# KiCad board haasoscope_pro_adc_fpga_board.kicad_pcb (continued)
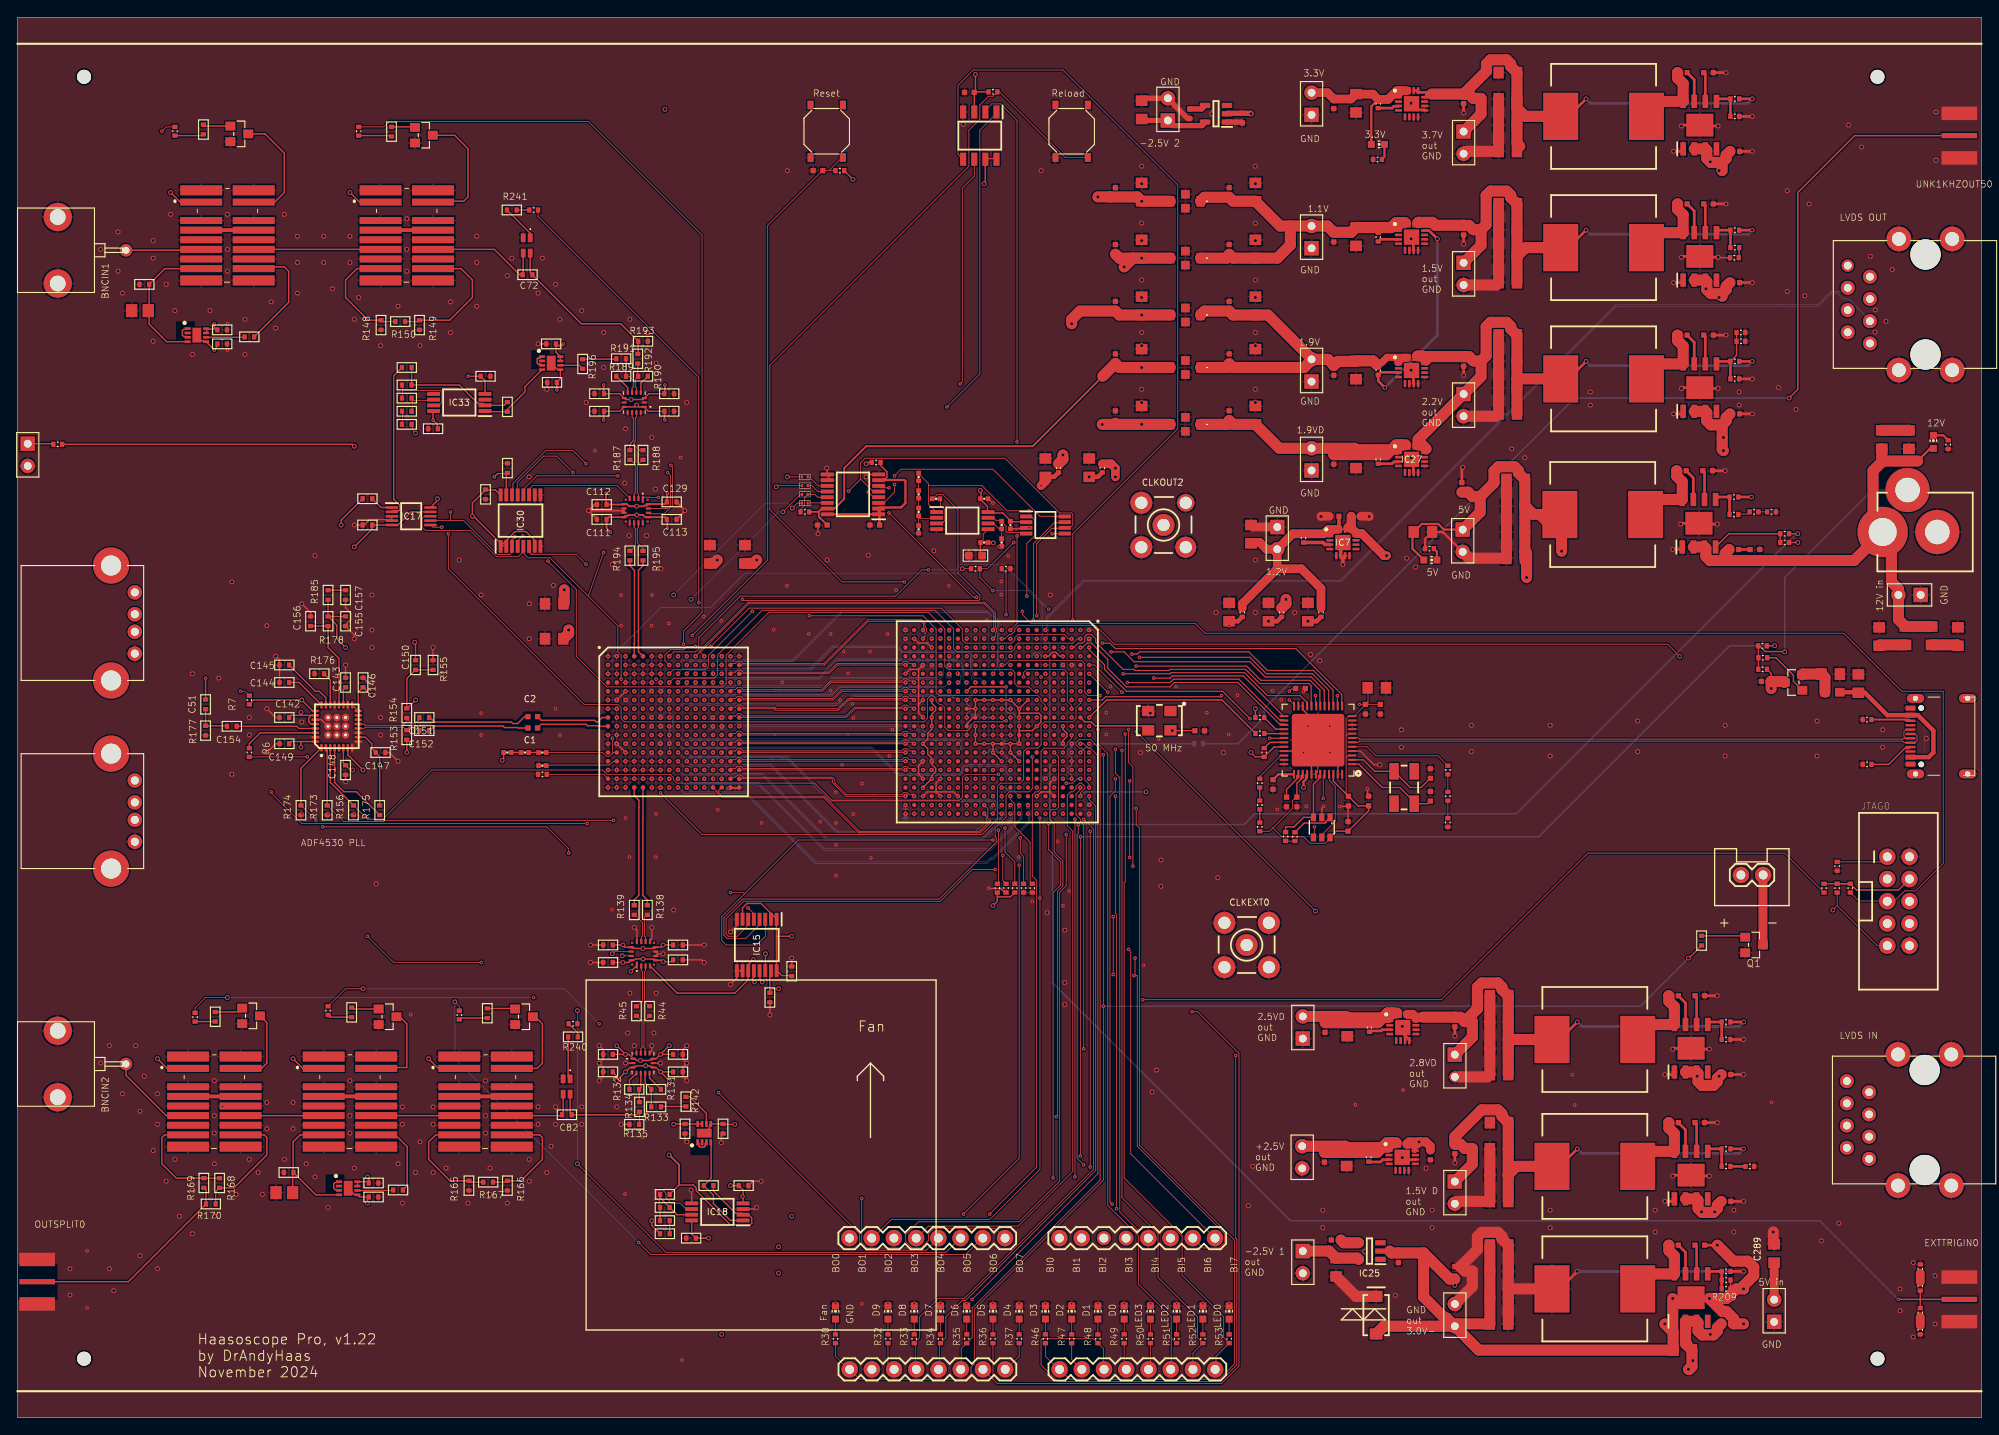
[diagram p0: board, top side]
## Placement (name value [footprint] x y rotation side) (continued)
R30  1k  [RES-0402]  93.5 9 90 top
R31  47  [RES-0402]  217.5 12 90 top
R32  1k  [RES-0402]  99.5 9 90 top
R33  1k  [RES-0402]  102.5 9 90 top
R34  1k  [RES-0402]  105.5 9 90 top
R35  1k  [RES-0402]  108.5 9 90 top
R36  1k  [RES-0402]  111.5 9 90 top
R37  1k  [RES-0402]  114.5 9 90 top
R38  10k  [RES-0402]  163.5 74 90 top
R39  100  [0201]  105.5 85.5 90 bottom
R40  1k  [RES-0402]  163.5 71 90 top
R41  1k  [RES-0402]  163.5 68 90 top
R42  1M  [R0402]  14.5 129.5 0 top
R43  47  [R0402]  26.5 123.5 0 top
R44  39  [R0402]  72.25 46.45 90 top
R45  39  [R0402]  70.75 46.45 90 top
R46  1k  [RES-0402]  117.5 9 90 top
R47  1k  [RES-0402]  120.5 9 90 top
R48  1k  [RES-0402]  123.5 9 90 top
R49  1k  [RES-0402]  126.5 9 90 top
R50  1k  [RES-0402]  129.5 9 90 top
R51  1k  [RES-0402]  132.5 9 90 top
R52  1k  [RES-0402]  135.5 9 90 top
R53  1k  [RES-0402]  138.5 9 90 top
R54  100  [0201]  106.5 83.5 270 bottom
R55  100  [0201]  111.5 89.5 90 bottom
R56  100  [0201]  111.5 87.5 90 bottom
R57  100  [0201]  110.5 89.5 90 bottom
R58  100  [0201]  109.5 89.5 90 bottom
R59  100  [0201]  108.5 89.5 90 bottom
R60  100  [0201]  106.5 89.5 90 bottom
R61  100  [0201]  107.5 82.5 270 bottom
R62  100  [0201]  107.5 80.5 270 bottom
R63  100  [0201]  115.45 69.35 270 bottom
R64  100  [0201]  114.45 69.35 270 bottom
R65  100  [0201]  113.4 69.4 270 bottom
R66  100  [0201]  112.3 69.4 270 bottom
R67  100  [0201]  111.3 69.4 270 bottom
R68  100  [0201]  113.5 73.5 90 bottom
R69  100  [0201]  111.5 71.5 270 bottom
R70  100  [0201]  110.5 71.5 270 bottom
R71  100  [0201]  110.5 73.5 90 bottom
R72  100  [0201]  108.5 72.5 90 bottom
R73  100  [0201]  106.5 71.5 270 bottom
R74  100  [0201]  104 74 180 bottom
R75  100  [0201]  107.35 76.55 270 bottom
R76  100  [0201]  107.5 78.5 270 bottom
R77  100  [0201]  105.5 89.5 90 bottom
R78  10k  [RES-0402]  94 142.5 0 top
R79  10k  [RES-0402]  111.5 151.5 180 top
R80  10k  [RES-0402]  112 60.5 270 top
R81  0  [RES-0402]  113 97 0 top
R82  10k  [RES-0402]  206.5 60.5 90 top
R83  10k  [RES-0402]  113 60.5 270 top
R84  10k  [RES-0402]  114 60.5 270 top
R85  10k  [RES-0402]  115 60.5 270 top
R86  10k  [RES-0402]  116 60.5 270 top
R87  0  [RES-0402]  144.5 92 270 top
R88  0  [RES-0402]  149 92 270 top
R89  0  [RES-0402]  140 92 270 top
R90  0  [RES-0402]  119 108.5 270 top
R91  10k  [RES-0402]  209.5 60.5 90 top
R92  10k  [RES-0402]  208 60.5 90 top
R93  1k  [RES-0402]  208 63 90 top
R94  100  [0201]  104.5 89.5 90 bottom
R95  100  [0201]  110.8 83.05 180 bottom
R96  100  [0201]  104 81 180 bottom
R97  100  [0201]  106 77 0 bottom
R98  100  [0201]  106 76 180 bottom
R99  100  [0201]  106.5 74.5 270 bottom
R100  100  [0201]  103.5 89.5 90 bottom
R101  100  [0201]  102 86 180 bottom
R102  100  [0201]  103.95 83.95 180 bottom
R103  100  [0201]  102 84 180 bottom
R104  100  [0201]  102 83 180 bottom
R105  100  [0201]  102 82 180 bottom
R106  100  [0201]  102 81 180 bottom
R107  100  [0201]  110.5 69.5 270 bottom
R108  100  [0201]  109.5 69.5 270 bottom
R109  100  [0201]  108.5 69.5 270 bottom
R110  100  [0201]  106.5 69.5 270 bottom
R111  100  [0201]  105.5 69.5 270 bottom
R112  100  [0201]  103.5 69.5 270 bottom
R113  100  [0201]  104.5 69.5 270 bottom
R114  100  [0201]  102 71.2 180 bottom
R115  100  [0201]  102 74 180 bottom
R116  100  [0201]  102 75 180 bottom
R117  100  [0201]  102 76 180 bottom
R118  100  [0201]  102 77 180 bottom
R119  100  [0201]  102 78 180 bottom
R120  100  [0201]  104 78 180 bottom
R121  10k  [RES-0402]  142 80 180 top
R122  1k  [0402_RES]  103 107.5 270 top
R123  10k  [RES-0402]  142.5 76 270 top
R124  1k  [0402_RES]  103 101.5 90 top
R125  10k  [0402_RES]  112.5 100 90 top
R126  1k  [0402_RES]  112.5 102 90 top
R127  10k  [0402_RES]  56 76 0 top
R128  0  [0402_RES]  60 74.5 180 top
R129  0  [0402_RES]  105 105 0 top
R130  10k  [0402_RES]  110.5 100 180 top
R131  127  [R0402]  73 37.5 0 top
R132  127  [R0402]  70.5 37.5 180 top
R133  66.5  [R0402]  73 35.5 180 top
R134  22.6  [R0402]  71.1 35.5 90 top
R135  357  [R0402]  70.5 33.5 0 top
R136  47  [RES-0402]  217.5 10 90 top
R137  100k  [RES-0402]  198.02 28.69 180 top
R138  39  [R0402]  72 58 90 top
R139  39  [R0402]  70.5 58 90 top
R140  1k  [R0402]  21.25 147.2 270 top
R141  1k  [R0402]  42.75 146.95 270 top
R142  0  [R0402]  76.4 36.1 270 top
R143  1k  [R0402]  40 105 0 top
R144  1k  [R0402]  74 22.5 180 top
R145  1k  [R0402]  74 24 0 top
R146  1k  [R0402]  79 26.5 0 top
R147  1k  [R0402]  74 25.5 180 top
R148  75  [R0402]  41.55 124.85 270 top
R149  75  [R0402]  45.95 124.85 270 top
R150  120  [R0402]  43.75 125.25 0 top
R151  10k  [RES-0402]  198.5 103.5 180 top
R152  5.1k  [RES-0402]  200.5 103.5 180 top
R153  47  [R0402]  44.5 78 270 top
R154  47  [R0402]  44.5 80.5 90 top
R155  0  [R0402]  45.5 86 270 top
R156  10k  [R0402]  38.4 69.4 90 top
R157  1k  [RES-0402]  144.95 66.4 90 top
R158  1M  [R0402]  31 28 0 top
R159  47  [R0402]  43.5 26 0 top
R160  47  [RES-0402]  217.5 15 270 top
R161  10k  [RES-0402]  147 100.5 270 top
R162  1k  [R0402]  38.2 46.3 270 top
R163  100k  [RES-0402]  196.25 132.55 0 top
R164  1k  [R0402]  53.7 46.2 270 top
R165  75  [R0402]  51.6 26.5 270 top
R166  75  [R0402]  56 26.5 270 top
R167  120  [R0402]  53.8 26.9 0 top
R168  47  [R0402]  23.1 26.8 270 top
R169  47  [R0402]  21.3 26.8 270 top
R170  47  [R0402]  22.1 24.4 180 top
R171  1k  [R0402]  22.6 45.8 270 top
R172  1k  [R0402]  74 21 180 top
R173  10k  [R0402]  35.4 69.4 90 top
R174  10k  [R0402]  32.4 69.4 90 top
R175  10k  [R0402]  41.4 69.4 90 top
R176  5.1k  [R0402]  34.5 85 0 top
R177  47  [R0402]  21.5 78.5 90 top
R178  1k  [R0402]  35.5 91 90 top
R179  1k  [RES-0402]  146.02 66.38 270 top
R180  1k  [R0402]  44.5 115 0 top
R181  1k  [R0402]  44.5 113.5 0 top
R182  5.1k  [RES-0402]  211.42 79.76 0 top
R183  5.1k  [RES-0402]  211.42 74.64 0 top
R184  39  [RES-0402]  142.01 78.18 180 top
R185  357  [R0402]  35.5 94 90 top
R186  10k  [0402_RES]  58 76 0 top
R187  39  [R0402]  70 110 270 top
R188  39  [R0402]  71.5 110 270 top
R189  127  [R0402]  69 119 180 top
R190  127  [R0402]  71.5 119 0 top
R191  66.5  [R0402]  69 121 0 top
R192  22.6  [R0402]  70.9 121 270 top
R193  357  [R0402]  71.5 123 180 top
R194  39  [R0402]  70 98.5 270 top
R195  39  [R0402]  71.5 98.5 270 top
R196  0  [R0402]  64.6 120.4 90 top
R197  1k  [R0402]  44.5 120 180 top
R198  10k  [0402_RES]  60 76 0 top
R199  1k  [R0402]  44.5 116.5 180 top
R200  1k  [R0402]  56 115.5 90 top
R201  1k  [R0402]  44.5 118 180 top
R202  1k  [0402_RES]  103 105.5 270 top
R203  1k  [0402_RES]  103 103.5 270 top
R204  1M  [RES-0402]  197 123 180 top
R205  1M  [RES-0402]  197 124 180 top
R206  1k  [RES-0402]  4.6 111.22 0 top
R207  NCP18WF104F03RC  [R0603_474]  109.5 98.5 90 top
R208  1k  [R0402]  192.5 54.5 270 top
R209  100k  [RES-0402]  195.31 15.71 180 top
R210  47  [RES-0402]  217.5 17 270 top
R211  47  [RES-0402]  135 77 180 bottom
R212  10k  [RES-0402]  202 100 180 top
R213  10k  [RES-0402]  155.54 150.14 270 top
R214  10k  [RES-0402]  155.54 119.66 270 top
R215  10k  [RES-0402]  155.54 134.9 270 top
R216  10k  [RES-0402]  154.47 29.74 270 top
R217  5.1k  [RES-0402]  220.69 111.19 90 top
R218  5.1k  [RES-0402]  155.46 143.78 0 top
R219  10k  [RES-0402]  155.54 109.5 270 top
R220  10k  [RES-0402]  154.54 44.57 270 top
R221  100k  [RES-0402]  196.3 150.7 0 top
R222  39k  [RES-0402]  196.3 148.7 180 top
R223  100k  [RES-0402]  196.3 135.7 0 top
R224  100k  [RES-0402]  196.3 133.7 180 top
R225  100k  [RES-0402]  196.3 120.7 0 top
R226  100k  [RES-0402]  196.3 118.7 180 top
R227  100k  [RES-0402]  195.3 45.2 0 top
R228  56k  [RES-0402]  195.3 43.2 180 top
R229  100k  [RES-0402]  195.3 30.7 0 top
R230  100k  [RES-0402]  195.3 28.7 180 top
R231  100k  [RES-0402]  195.3 16.7 0 top
R232  100k  [RES-0402]  195.3 14.7 180 top
R233  100k  [RES-0402]  196.2 105.2 0 top
R234  10k  [RES-0402]  196.2 103.2 180 top
R235  5.1k  [RES-0402]  161.4 99.3 0 top
R236  1k  [RES-0402]  202 101 0 top
R237  10k  [RES-0402]  199.48 85.51 0 top
R238  1k  [RES-0402]  199.46 88.19 0 top
R239  10k  [RES-0402]  199.5 86.83 0 top
R240  120  [R0402]  63.5 43.5 0 top
R241  120  [R0402]  56.5 138 0 top
SW3  SKQGADE010  [SW4-SMD-5.2X5.2X1.5MM_476]  120.5 147 270 top
SW4  SKQGADE010  [SW4-SMD-5.2X5.2X1.5MM_476]  92.5 147 270 top
U2  ADF4350BCPZ  [QFN50P500X500X100-33V2N]  36.5 79 90 top
U$1  RJ45-CONNECTOR-SHIELDED  [RJ45_THT_RA_AMPH-FRJAE448#2]  218 34 90 top
U$3  RJ45-CONNECTOR-SHIELDED  [RJ45_THT_RA_AMPH-FRJAE448]  218.1 127.2 90 top
UNK1KHZOUT50  50  [SMA_EDGELAUNCH]  224 146.5 180 top
X1  USBC  [USB_C_CUSB31-CFM2AX-01-X]  219.93 77.87 90 top
Y2  OSCILLATORSMD-5X3  [OSCILLATOR-SMD-5X3.2_511]  130.52 79.64 180 top
Y3  12MHz  [CRYSTAL-SMD-5X3]  158.5 72 270 top

## Footprints (pads in the part's own frame, mm; a bottom-side part is the same pattern mirrored in y, then rotated)
1X02
  round 1.88 hole 1.016: 1(0,0) 2(2.54,0)
1X08_513
  round 1.88 hole 1.016: 1(0,0) 2(2.54,0) 3(5.08,0) 4(7.62,0) 5(10.16,0) 6(12.7,0) 7(15.24,0) 8(17.78,0)
1X08_513#2
  round 1.88 hole 1.016: 1(0,0) 2(2.54,0) 5(10.16,0) 6(12.7,0) 7(15.24,0) 8(17.78,0)
  round 1.6 hole 1.016: 3(5.08,0)
  round 1.7 hole 1.016: 4(7.62,0)
2X5-SHROUDED_513
  round 1.88 hole 1.016: 1(-1.27,5.08) 2(1.27,5.08) 3(-1.27,2.54) 4(1.27,2.54) 5(-1.27,0) 6(1.27,0) 7(-1.27,-2.54) 8(1.27,-2.54) 9(-1.27,-5.08) 10(1.27,-5.08)
0201
  rect 0.25x0.35 smd: 1(-0.325,0) 2(0.325,0)
0402_CAP
  rect 0.536x0.546 smd: 1(-0.433,0) 2(0.433,0)
0402_RES
  rect 0.536x0.546 smd: 1(-0.433,0) 2(0.433,0)
0603_512
  rect 1.1x1 smd: 1(-0.85,0) 2(0.85,0)
BGA256C100P16X16_1700X1700X331
  rrect 0.53x0.53 smd: A1(-7.5,7.5) A2(-6.5,7.5) A3(-5.5,7.5) A4(-4.5,7.5) A5(-3.5,7.5) A6(-2.5,7.5) A7(-1.5,7.5) A8(-0.5,7.5) A9(0.5,7.5) A10(1.5,7.5) A11(2.5,7.5) A12(3.5,7.5) A13(4.5,7.5) A14(5.5,7.5) A15(6.5,7.5) A16(7.5,7.5) B1(-7.5,6.5) B2(-6.5,6.5) B3(-5.5,6.5) B4(-4.5,6.5) B5(-3.5,6.5) B6(-2.5,6.5) B7(-1.5,6.5) B8(-0.5,6.5) B9(0.5,6.5) B10(1.5,6.5) B11(2.5,6.5) B12(3.5,6.5) B13(4.5,6.5) B14(5.5,6.5) B15(6.5,6.5) B16(7.5,6.5) C1(-7.5,5.5) C2(-6.5,5.5) C3(-5.5,5.5) C4(-4.5,5.5) C5(-3.5,5.5) C6(-2.5,5.5) C7(-1.5,5.5) C8(-0.5,5.5) C9(0.5,5.5) C10(1.5,5.5) C11(2.5,5.5) C12(3.5,5.5) C13(4.5,5.5) C14(5.5,5.5) C15(6.5,5.5) C16(7.5,5.5) D1(-7.5,4.5) D2(-6.5,4.5) D3(-5.5,4.5) D4(-4.5,4.5) D5(-3.5,4.5) D6(-2.5,4.5) D7(-1.5,4.5) D8(-0.5,4.5) D9(0.5,4.5) D10(1.5,4.5) D11(2.5,4.5) D12(3.5,4.5) D13(4.5,4.5) D14(5.5,4.5) D15(6.5,4.5) D16(7.5,4.5) E1(-7.5,3.5) E2(-6.5,3.5) E3(-5.5,3.5) E4(-4.5,3.5) E5(-3.5,3.5) E6(-2.5,3.5) E7(-1.5,3.5) E8(-0.5,3.5) E9(0.5,3.5) E10(1.5,3.5) E11(2.5,3.5) E12(3.5,3.5) E13(4.5,3.5) E14(5.5,3.5) E15(6.5,3.5) E16(7.5,3.5) F1(-7.5,2.5) F2(-6.5,2.5) F3(-5.5,2.5) F4(-4.5,2.5) F5(-3.5,2.5) F6(-2.5,2.5) F7(-1.5,2.5) F8(-0.5,2.5) F9(0.5,2.5) F10(1.5,2.5) F11(2.5,2.5) F12(3.5,2.5) F13(4.5,2.5) F14(5.5,2.5) F15(6.5,2.5) F16(7.5,2.5) G1(-7.5,1.5) G2(-6.5,1.5) G3(-5.5,1.5) G4(-4.5,1.5) G5(-3.5,1.5) G6(-2.5,1.5) G7(-1.5,1.5) G8(-0.5,1.5) G9(0.5,1.5) G10(1.5,1.5) G11(2.5,1.5) G12(3.5,1.5) G13(4.5,1.5) G14(5.5,1.5) G15(6.5,1.5) G16(7.5,1.5) H1(-7.5,0.5) H2(-6.5,0.5) H3(-5.5,0.5) H4(-4.5,0.5) H5(-3.5,0.5) H6(-2.5,0.5) H7(-1.5,0.5) H8(-0.5,0.5) H9(0.5,0.5) H10(1.5,0.5) H11(2.5,0.5) H12(3.5,0.5) H13(4.5,0.5) H14(5.5,0.5) H15(6.5,0.5) H16(7.5,0.5) J1(-7.5,-0.5) J2(-6.5,-0.5) J3(-5.5,-0.5) J4(-4.5,-0.5) J5(-3.5,-0.5) J6(-2.5,-0.5) J7(-1.5,-0.5) J8(-0.5,-0.5) J9(0.5,-0.5) J10(1.5,-0.5) J11(2.5,-0.5) J12(3.5,-0.5) J13(4.5,-0.5) J14(5.5,-0.5) J15(6.5,-0.5) J16(7.5,-0.5) K1(-7.5,-1.5) K2(-6.5,-1.5) K3(-5.5,-1.5) K4(-4.5,-1.5) K5(-3.5,-1.5) K6(-2.5,-1.5) K7(-1.5,-1.5) K8(-0.5,-1.5) K9(0.5,-1.5) K10(1.5,-1.5) K11(2.5,-1.5) K12(3.5,-1.5) K13(4.5,-1.5) K14(5.5,-1.5) K15(6.5,-1.5) K16(7.5,-1.5) L1(-7.5,-2.5) L2(-6.5,-2.5) L3(-5.5,-2.5) L4(-4.5,-2.5) L5(-3.5,-2.5) L6(-2.5,-2.5) L7(-1.5,-2.5) L8(-0.5,-2.5) L9(0.5,-2.5) L10(1.5,-2.5) L11(2.5,-2.5) L12(3.5,-2.5) L13(4.5,-2.5) L14(5.5,-2.5) L15(6.5,-2.5) L16(7.5,-2.5) M1(-7.5,-3.5) M2(-6.5,-3.5) M3(-5.5,-3.5) M4(-4.5,-3.5) M5(-3.5,-3.5) M6(-2.5,-3.5) M7(-1.5,-3.5) M8(-0.5,-3.5) M9(0.5,-3.5) M10(1.5,-3.5) M11(2.5,-3.5) M12(3.5,-3.5) M13(4.5,-3.5) M14(5.5,-3.5) M15(6.5,-3.5) M16(7.5,-3.5) N1(-7.5,-4.5) N2(-6.5,-4.5) N3(-5.5,-4.5) N4(-4.5,-4.5) N5(-3.5,-4.5) N6(-2.5,-4.5) N7(-1.5,-4.5) N8(-0.5,-4.5) N9(0.5,-4.5) N10(1.5,-4.5) N11(2.5,-4.5) N12(3.5,-4.5) N13(4.5,-4.5) N14(5.5,-4.5) N15(6.5,-4.5) N16(7.5,-4.5) P1(-7.5,-5.5) P2(-6.5,-5.5) P3(-5.5,-5.5) P4(-4.5,-5.5) P5(-3.5,-5.5) P6(-2.5,-5.5) P7(-1.5,-5.5) P8(-0.5,-5.5) P9(0.5,-5.5) P10(1.5,-5.5) P11(2.5,-5.5) P12(3.5,-5.5) P13(4.5,-5.5) P14(5.5,-5.5) P15(6.5,-5.5) P16(7.5,-5.5) R1(-7.5,-6.5) R2(-6.5,-6.5) R3(-5.5,-6.5) R4(-4.5,-6.5) R5(-3.5,-6.5) R6(-2.5,-6.5) R7(-1.5,-6.5) R8(-0.5,-6.5) R9(0.5,-6.5) R10(1.5,-6.5) R11(2.5,-6.5) R12(3.5,-6.5) R13(4.5,-6.5) R14(5.5,-6.5) R15(6.5,-6.5) R16(7.5,-6.5) T1(-7.5,-7.5) T2(-6.5,-7.5) T3(-5.5,-7.5) T4(-4.5,-7.5) T5(-3.5,-7.5) T6(-2.5,-7.5) T7(-1.5,-7.5) T8(-0.5,-7.5) T9(0.5,-7.5) T10(1.5,-7.5) T11(2.5,-7.5) T12(3.5,-7.5) T13(4.5,-7.5) T14(5.5,-7.5) T15(6.5,-7.5) T16(7.5,-7.5)
BGA484C100P22X22_2300X2300X240
  rrect 0.5x0.5 smd: A1(-10.5,10.5) A2(-9.5,10.5) A3(-8.5,10.5) A4(-7.5,10.5) A5(-6.5,10.5) A6(-5.5,10.5) A7(-4.5,10.5) A8(-3.5,10.5) A9(-2.5,10.5) A10(-1.5,10.5) A11(-0.5,10.5) A12(0.5,10.5) A13(1.5,10.5) A14(2.5,10.5) A15(3.5,10.5) A16(4.5,10.5) A17(5.5,10.5) A18(6.5,10.5) A19(7.5,10.5) A20(8.5,10.5) A21(9.5,10.5) A22(10.5,10.5) AA1(-10.5,-9.5) AA2(-9.5,-9.5) AA3(-8.5,-9.5) AA4(-7.5,-9.5) AA5(-6.5,-9.5) AA6(-5.5,-9.5) AA7(-4.5,-9.5) AA8(-3.5,-9.5) AA9(-2.5,-9.5) AA10(-1.5,-9.5) AA11(-0.5,-9.5) AA12(0.5,-9.5) AA13(1.5,-9.5) AA14(2.5,-9.5) AA15(3.5,-9.5) AA16(4.5,-9.5) AA17(5.5,-9.5) AA18(6.5,-9.5) AA19(7.5,-9.5) AA20(8.5,-9.5) AA21(9.5,-9.5) AA22(10.5,-9.5) AB1(-10.5,-10.5) AB2(-9.5,-10.5) AB3(-8.5,-10.5) AB4(-7.5,-10.5) AB5(-6.5,-10.5) AB6(-5.5,-10.5) AB7(-4.5,-10.5) AB8(-3.5,-10.5) AB9(-2.5,-10.5) AB10(-1.5,-10.5) AB11(-0.5,-10.5) AB12(0.5,-10.5) AB13(1.5,-10.5) AB14(2.5,-10.5) AB15(3.5,-10.5) AB16(4.5,-10.5) AB17(5.5,-10.5) AB18(6.5,-10.5) AB19(7.5,-10.5) AB20(8.5,-10.5) AB21(9.5,-10.5) AB22(10.5,-10.5) B1(-10.5,9.5) B2(-9.5,9.5) B3(-8.5,9.5) B4(-7.5,9.5) B5(-6.5,9.5) B6(-5.5,9.5) B7(-4.5,9.5) B8(-3.5,9.5) B9(-2.5,9.5) B10(-1.5,9.5) B11(-0.5,9.5) B12(0.5,9.5) B13(1.5,9.5) B14(2.5,9.5) B15(3.5,9.5) B16(4.5,9.5) B17(5.5,9.5) B18(6.5,9.5) B19(7.5,9.5) B20(8.5,9.5) B21(9.5,9.5) B22(10.5,9.5) C1(-10.5,8.5) C2(-9.5,8.5) C3(-8.5,8.5) C4(-7.5,8.5) C5(-6.5,8.5) C6(-5.5,8.5) C7(-4.5,8.5) C8(-3.5,8.5) C9(-2.5,8.5) C10(-1.5,8.5) C11(-0.5,8.5) C12(0.5,8.5) C13(1.5,8.5) C14(2.5,8.5) C15(3.5,8.5) C16(4.5,8.5) C17(5.5,8.5) C18(6.5,8.5) C19(7.5,8.5) C20(8.5,8.5) C21(9.5,8.5) C22(10.5,8.5) D1(-10.5,7.5) D2(-9.5,7.5) D3(-8.5,7.5) D4(-7.5,7.5) D5(-6.5,7.5) D6(-5.5,7.5) D7(-4.5,7.5) D8(-3.5,7.5) D9(-2.5,7.5) D10(-1.5,7.5) D11(-0.5,7.5) D12(0.5,7.5) D13(1.5,7.5) D14(2.5,7.5) D15(3.5,7.5) D16(4.5,7.5) D17(5.5,7.5) D18(6.5,7.5) D19(7.5,7.5) D20(8.5,7.5) D21(9.5,7.5) D22(10.5,7.5) E1(-10.5,6.5) E2(-9.5,6.5) E3(-8.5,6.5) E4(-7.5,6.5) E5(-6.5,6.5) E6(-5.5,6.5) E7(-4.5,6.5) E8(-3.5,6.5) E9(-2.5,6.5) E10(-1.5,6.5) E11(-0.5,6.5) E12(0.5,6.5) E13(1.5,6.5) E14(2.5,6.5) E15(3.5,6.5) E16(4.5,6.5) E17(5.5,6.5) E18(6.5,6.5) E19(7.5,6.5) E20(8.5,6.5) E21(9.5,6.5) E22(10.5,6.5) F1(-10.5,5.5) F2(-9.5,5.5) F3(-8.5,5.5) F4(-7.5,5.5) F5(-6.5,5.5) F6(-5.5,5.5) F7(-4.5,5.5) F8(-3.5,5.5) F9(-2.5,5.5) F10(-1.5,5.5) F11(-0.5,5.5) F12(0.5,5.5) F13(1.5,5.5) F14(2.5,5.5) F15(3.5,5.5) F16(4.5,5.5) F17(5.5,5.5) F18(6.5,5.5) F19(7.5,5.5) F20(8.5,5.5) F21(9.5,5.5) F22(10.5,5.5) G1(-10.5,4.5) G2(-9.5,4.5) G3(-8.5,4.5) G4(-7.5,4.5) G5(-6.5,4.5) G6(-5.5,4.5) G7(-4.5,4.5) G8(-3.5,4.5) G9(-2.5,4.5) G10(-1.5,4.5) G11(-0.5,4.5) G12(0.5,4.5) G13(1.5,4.5) G14(2.5,4.5) G15(3.5,4.5) G16(4.5,4.5) G17(5.5,4.5) G18(6.5,4.5) G19(7.5,4.5) G20(8.5,4.5) G21(9.5,4.5) G22(10.5,4.5) H1(-10.5,3.5) H2(-9.5,3.5) H3(-8.5,3.5) H4(-7.5,3.5) H5(-6.5,3.5) H6(-5.5,3.5) H7(-4.5,3.5) H8(-3.5,3.5) H9(-2.5,3.5) H10(-1.5,3.5) H11(-0.5,3.5) H12(0.5,3.5) H13(1.5,3.5) H14(2.5,3.5) H15(3.5,3.5) H16(4.5,3.5) H17(5.5,3.5) H18(6.5,3.5) H19(7.5,3.5) H20(8.5,3.5) H21(9.5,3.5) H22(10.5,3.5) J1(-10.5,2.5) J2(-9.5,2.5) J3(-8.5,2.5) J4(-7.5,2.5) J5(-6.5,2.5) J6(-5.5,2.5) J7(-4.5,2.5) J8(-3.5,2.5) J9(-2.5,2.5) J10(-1.5,2.5) J11(-0.5,2.5) J12(0.5,2.5) J13(1.5,2.5) J14(2.5,2.5) J15(3.5,2.5) J16(4.5,2.5) J17(5.5,2.5) J18(6.5,2.5) J19(7.5,2.5) J20(8.5,2.5) J21(9.5,2.5) J22(10.5,2.5) K1(-10.5,1.5) K2(-9.5,1.5) K3(-8.5,1.5) K4(-7.5,1.5) K5(-6.5,1.5) K6(-5.5,1.5) K7(-4.5,1.5) K8(-3.5,1.5) K9(-2.5,1.5) K10(-1.5,1.5) K11(-0.5,1.5) K12(0.5,1.5) K13(1.5,1.5) K14(2.5,1.5) K15(3.5,1.5) K16(4.5,1.5) K17(5.5,1.5) K18(6.5,1.5) K19(7.5,1.5) K20(8.5,1.5) K21(9.5,1.5) K22(10.5,1.5) L1(-10.5,0.5) L2(-9.5,0.5) L3(-8.5,0.5) L4(-7.5,0.5) L5(-6.5,0.5) L6(-5.5,0.5) L7(-4.5,0.5) L8(-3.5,0.5) L9(-2.5,0.5) L10(-1.5,0.5) L11(-0.5,0.5) L12(0.5,0.5) L13(1.5,0.5) L14(2.5,0.5) L15(3.5,0.5) L16(4.5,0.5) L17(5.5,0.5) L18(6.5,0.5) L19(7.5,0.5) L20(8.5,0.5) L21(9.5,0.5) L22(10.5,0.5) M1(-10.5,-0.5) M2(-9.5,-0.5) M3(-8.5,-0.5) M4(-7.5,-0.5) M5(-6.5,-0.5) M6(-5.5,-0.5) M7(-4.5,-0.5) M8(-3.5,-0.5) M9(-2.5,-0.5) M10(-1.5,-0.5) M11(-0.5,-0.5) M12(0.5,-0.5) M13(1.5,-0.5) M14(2.5,-0.5) M15(3.5,-0.5) M16(4.5,-0.5) M17(5.5,-0.5) M18(6.5,-0.5) M19(7.5,-0.5) M20(8.5,-0.5) M21(9.5,-0.5) M22(10.5,-0.5) N1(-10.5,-1.5) N2(-9.5,-1.5) N3(-8.5,-1.5) N4(-7.5,-1.5) N5(-6.5,-1.5) N6(-5.5,-1.5) N7(-4.5,-1.5) N8(-3.5,-1.5) N9(-2.5,-1.5) N10(-1.5,-1.5) N11(-0.5,-1.5) N12(0.5,-1.5) N13(1.5,-1.5) N14(2.5,-1.5) N15(3.5,-1.5) N16(4.5,-1.5) N17(5.5,-1.5) N18(6.5,-1.5) N19(7.5,-1.5) N20(8.5,-1.5) N21(9.5,-1.5) N22(10.5,-1.5) P1(-10.5,-2.5) P2(-9.5,-2.5) P3(-8.5,-2.5) P4(-7.5,-2.5) P5(-6.5,-2.5) P6(-5.5,-2.5) P7(-4.5,-2.5) P8(-3.5,-2.5) P9(-2.5,-2.5) P10(-1.5,-2.5) P11(-0.5,-2.5) P12(0.5,-2.5) P13(1.5,-2.5) P14(2.5,-2.5) P15(3.5,-2.5) P16(4.5,-2.5) P17(5.5,-2.5) P18(6.5,-2.5) P19(7.5,-2.5) P20(8.5,-2.5) P21(9.5,-2.5) P22(10.5,-2.5) R1(-10.5,-3.5) R2(-9.5,-3.5) R3(-8.5,-3.5) R4(-7.5,-3.5) R5(-6.5,-3.5) R6(-5.5,-3.5) R7(-4.5,-3.5) R8(-3.5,-3.5) R9(-2.5,-3.5) R10(-1.5,-3.5) R11(-0.5,-3.5) R12(0.5,-3.5) R13(1.5,-3.5) R14(2.5,-3.5) R15(3.5,-3.5) R16(4.5,-3.5) R17(5.5,-3.5) R18(6.5,-3.5) R19(7.5,-3.5) R20(8.5,-3.5) R21(9.5,-3.5) R22(10.5,-3.5) T1(-10.5,-4.5) T2(-9.5,-4.5) T3(-8.5,-4.5) T4(-7.5,-4.5) T5(-6.5,-4.5) T6(-5.5,-4.5) T7(-4.5,-4.5) T8(-3.5,-4.5) T9(-2.5,-4.5) T10(-1.5,-4.5) T11(-0.5,-4.5) T12(0.5,-4.5) T13(1.5,-4.5) T14(2.5,-4.5) T15(3.5,-4.5) T16(4.5,-4.5) T17(5.5,-4.5) T18(6.5,-4.5) T19(7.5,-4.5) T20(8.5,-4.5) T21(9.5,-4.5) T22(10.5,-4.5) U1(-10.5,-5.5) U2(-9.5,-5.5) U3(-8.5,-5.5) U4(-7.5,-5.5) U5(-6.5,-5.5) U6(-5.5,-5.5) U7(-4.5,-5.5) U8(-3.5,-5.5) U9(-2.5,-5.5) U10(-1.5,-5.5) U11(-0.5,-5.5) U12(0.5,-5.5) U13(1.5,-5.5) U14(2.5,-5.5) U15(3.5,-5.5) U16(4.5,-5.5) U17(5.5,-5.5) U18(6.5,-5.5) U19(7.5,-5.5) U20(8.5,-5.5) U21(9.5,-5.5) U22(10.5,-5.5) V1(-10.5,-6.5) V2(-9.5,-6.5) V3(-8.5,-6.5) V4(-7.5,-6.5) V5(-6.5,-6.5) V6(-5.5,-6.5) V7(-4.5,-6.5) V8(-3.5,-6.5) V9(-2.5,-6.5) V10(-1.5,-6.5) V11(-0.5,-6.5) V12(0.5,-6.5) V13(1.5,-6.5) V14(2.5,-6.5) V15(3.5,-6.5) V16(4.5,-6.5) V17(5.5,-6.5) V18(6.5,-6.5) V19(7.5,-6.5) V20(8.5,-6.5) V21(9.5,-6.5) V22(10.5,-6.5) W1(-10.5,-7.5) W2(-9.5,-7.5) W3(-8.5,-7.5) W4(-7.5,-7.5) W5(-6.5,-7.5) W6(-5.5,-7.5) W7(-4.5,-7.5) W8(-3.5,-7.5) W9(-2.5,-7.5) W10(-1.5,-7.5) W11(-0.5,-7.5) W12(0.5,-7.5) W13(1.5,-7.5) W14(2.5,-7.5) W15(3.5,-7.5) W16(4.5,-7.5) W17(5.5,-7.5) W18(6.5,-7.5) W19(7.5,-7.5) W20(8.5,-7.5) W21(9.5,-7.5) W22(10.5,-7.5) Y1(-10.5,-8.5) Y2(-9.5,-8.5) Y3(-8.5,-8.5) Y4(-7.5,-8.5) Y5(-6.5,-8.5) Y6(-5.5,-8.5) Y7(-4.5,-8.5) Y8(-3.5,-8.5) Y9(-2.5,-8.5) Y10(-1.5,-8.5) Y11(-0.5,-8.5) Y12(0.5,-8.5) Y13(1.5,-8.5) Y14(2.5,-8.5) Y15(3.5,-8.5) Y16(4.5,-8.5) Y17(5.5,-8.5) Y18(6.5,-8.5) Y19(7.5,-8.5) Y20(8.5,-8.5) Y21(9.5,-8.5) Y22(10.5,-8.5)
BU-SMB-V_133
  round 2.52 hole 1.4: 1(0,0) 2(-2.54,2.54) 5(-2.54,-2.54)
  round 2 hole 1.4: 3(2.54,2.54)
  round 2.4 hole 1.4: 4(2.54,-2.54)
BU-SMB-V_133#2
  round 2.52 hole 1.4: 1(0,0) 2(-2.54,2.54) 3(2.54,2.54) 4(2.54,-2.54) 5(-2.54,-2.54)
C0402
  rect 0.5x0.6 smd: P$1(-0.55,0) P$2(0.55,0)
C0805_348
  rect 1.3x1.5 smd: 1(-0.95,0) 2(0.95,0)
CDRH125
  rect 5.4x4 smd: 1(0,4.9) 2(0,-4.9)
CHIP-LED0603
  rect 0.8x0.8 smd: A(0,-0.75) C(0,0.75)
CRYSTAL-SMD-5X3
  rect 1.9x1.1 smd: 1(-1.85,-1.15) 2(1.85,-1.15) 3(1.85,1.15) 4(-1.85,1.15)
DCJACK_2MM_PTH
  round 5.04 hole 2.8: GND(0,7.35) GNDBREAK(4.8,10.75)
  round 5.76 hole 3.2: PWR(0,13.6)
G6K2FRFTTR03DC5
  rect 0.8x4.8 smd: 1(-5.4,-3) 2(-2.2,-3) 3(0,-3) 4(2.2,-3) 5(2.2,3) 6(0,3) 7(-2.2,3) 8(-5.4,3) MP2(-3.3,-3) MP3(-1.1,-3) MP4(1.1,-3) MP7(1.1,3) MP8(-1.1,3) MP9(-3.3,3)
  rect 1.15x4.8 smd: MP1(-6.75,-3) MP5(3.55,-3) MP6(3.55,3) MP10(-6.75,3)
H2-2.54_478
  rect 1.651x1.651 hole 0.889: 1(0,1.27)
  round 1.651 hole 0.889: 2(0,-1.27)
H2-2.54_478#2
  round 1.651 hole 0.889: 1(0,1.27) 2(0,-1.27)
H2-2.54_478#3
  rect 1.651x1.651 hole 0.889: 1(0,1.27)
  round 1.2 hole 0.889: 2(0,-1.27)
LMH5401IRMSR
  rrect 0.7x0.25 smd: 1(-1.1,0.5)
  rrect 0.6x0.25 smd: 2(-1.15,0) 3(-1.15,-0.5) 8(1.15,-0.5) 9(1.15,0) 10(1.15,0.5)
  rrect 0.25x0.6 smd: 4(-0.75,-1.15) 5(-0.25,-1.15) 6(0.25,-1.15) 7(0.75,-1.15) 11(0.75,1.15) 12(0.25,1.15) 13(-0.25,1.15) 14(-0.75,1.15)
LMH6401IRMZR
  rect 0.8x0.25 smd: 1(-1.3,0.7)
  rect 0.6x0.25 smd: 2(-1.4,0.2) 3(-1.4,-0.3) 4(-1.4,-0.8) 9(1.4,-0.8) 10(1.4,-0.3) 11(1.4,0.2) 12(1.4,0.7)
  rect 0.25x0.6 smd: 5(-0.75,-1.45) 6(-0.25,-1.45) 7(0.25,-1.45) 8(0.75,-1.45) 13(0.75,1.35) 14(0.25,1.35) 15(-0.25,1.35) 16(-0.75,1.35)
  rect 0.25x0.25 smd: 17(-1.25,1.25) 18(-1.25,-1.25) 19(1.25,-1.25) 20(1.25,1.25)
MOLEX-BNC-73100-0105
  round 3.24 hole 1.8: GND1(-3.8,-3.9) GND2(3.8,-3.9)
  round 1.44 hole 0.8: SIGNAL(0,3.9)
NFM31HK103R1H3L
  rect 0.95x1.2 smd: 1(-1.725,0) 3(1.725,0)
  rect 1x1 smd: 2(0,-0.8) 4(0,0.8)
OSCILLATOR-SMD-5X3.2_511
  rect 1.397x1.194 smd: 1(-1.27,-1.1) 2(1.27,-1.1) 3(1.27,1.1) 4(-1.27,1.1)
QFN48_8MM
  rrect 1x0.23 smd: 1(-3.9,2.75) 2(-3.9,2.25) 3(-3.9,1.75) 4(-3.9,1.25) 5(-3.9,0.75) 6(-3.9,0.25) 7(-3.9,-0.25) 8(-3.9,-0.75) 9(-3.9,-1.25) 10(-3.9,-1.75) 11(-3.9,-2.25) 12(-3.9,-2.75) 25(3.9,-2.75) 26(3.9,-2.25) 27(3.9,-1.75) 28(3.9,-1.25) 29(3.9,-0.75) 30(3.9,-0.25) 31(3.9,0.25) 32(3.9,0.75) 33(3.9,1.25) 34(3.9,1.75) 35(3.9,2.25) 36(3.9,2.75)
  rrect 0.23x1 smd: 13(-2.75,-3.9) 14(-2.25,-3.9) 15(-1.75,-3.9) 16(-1.25,-3.9) 17(-0.75,-3.9) 18(-0.25,-3.9) 19(0.2,-3.9) 20(0.75,-3.9) 21(1.25,-3.9) 22(1.75,-3.9) 23(2.25,-3.9) 24(2.75,-3.9) 37(2.75,3.9) 38(2.25,3.9) 39(1.75,3.9) 40(1.25,3.9) 41(0.75,3.9) 42(0.25,3.9) 43(-0.25,3.9) 44(-0.75,3.9) 45(-1.25,3.9) 46(-1.75,3.9) 47(-2.25,3.9) 48(-2.75,3.9)
  rrect 6x6 smd: THERMAL(0,0)
QFN50P300X300X100-17N
  rect 0.8x0.3 smd: 1(-1.5,0.75) 2(-1.5,0.25) 3(-1.5,-0.25) 4(-1.5,-0.75) 9(1.5,-0.75) 10(1.5,-0.25) 11(1.5,0.25) 12(1.5,0.75)
  rect 0.3x0.8 smd: 5(-0.75,-1.5) 6(-0.25,-1.5) 7(0.25,-1.5) 8(0.75,-1.5) 13(0.75,1.5) 14(0.25,1.5) 15(-0.25,1.5) 16(-0.75,1.5)
  rect 1.75x1.75 smd: 17(0,0)
QFN50P500X500X100-33V2N
  rrect 0.9x0.3 smd: 1(-2.45,1.75) 2(-2.45,1.25) 3(-2.45,0.75) 4(-2.45,0.25) 5(-2.45,-0.25) 6(-2.45,-0.75) 7(-2.45,-1.25) 8(-2.45,-1.75) 17(2.45,-1.75) 18(2.45,-1.25) 19(2.45,-0.75) 20(2.45,-0.25) 21(2.45,0.25) 22(2.45,0.75) 23(2.45,1.25) 24(2.45,1.75)
  rrect 0.3x0.9 smd: 9(-1.75,-2.45) 10(-1.25,-2.45) 11(-0.75,-2.45) 12(-0.25,-2.45) 13(0.25,-2.45) 14(0.75,-2.45) 15(1.25,-2.45) 16(1.75,-2.45) 25(1.75,2.45) 26(1.25,2.45) 27(0.75,2.45) 28(0.25,2.45) 29(-0.25,2.45) 30(-0.75,2.45) 31(-1.25,2.45) 32(-1.75,2.45)
  round 0.838 hole 0.33: PAD@1_1(-1,1) PAD@1_2(-1,0) PAD@1_3(-1,-1) PAD@2_1(0,1) PAD@2_2(0,0) PAD@2_3(0,-1) PAD@3_1(1,1) PAD@3_2(1,0) PAD@3_3(1,-1)
R0402
  rect 0.5x0.6 smd: P$1(-0.55,0) P$2(0.55,0)
R0603_474
  rrect 0.889x0.889 smd: 1(0,0.762) 2(0,-0.762)
RES-0402
  rect 0.5x0.6 smd: P$1(-0.5,0) P$2(0.5,0)
RESC0402_N_169009
  rect 0.6x0.6 smd: 1(-0.55,0) 2(0.55,0)
RESC0805_N_169009
  rect 1.2x1.35 smd: 1(-1.1,0) 2(1,0)
RJ45_THT_RA_AMPH-FRJAE448
  round 3.454 hole 3.454 unplated: (-5.715,0) (5.715,0)
  round 1.602 hole 0.89: P$1(-4.445,6.35) P$2(-3.175,8.89) P$3(-1.905,6.35) P$4(-0.635,8.89) P$5(0.635,6.35) P$6(1.905,8.89) P$7(3.175,6.35)
  round 1.4 hole 0.89: P$8(4.445,8.89)
  round 2.835 hole 1.575: S$1(-7.493,-3.048) S$2(7.493,-3.048) S$3(7.493,3.048) S$4(-7.493,3.048)
RJ45_THT_RA_AMPH-FRJAE448#2
  round 3.454 hole 3.454 unplated: (-5.715,0) (5.715,0)
  round 1.602 hole 0.89: P$1(-4.445,6.35) P$2(-3.175,8.89) P$3(-1.905,6.35) P$4(-0.635,8.89) P$5(0.635,6.35) P$6(1.905,8.89) P$7(3.175,6.35) P$8(4.445,8.89)
  round 2.835 hole 1.575: S$1(-7.493,-3.048) S$2(7.493,-3.048) S$3(7.493,3.048) S$4(-7.493,3.048)
SMA-DIODE_514
  rect 1.27x1.47 smd: A(-2.15,0) C(2.15,0)
SMA_EDGELAUNCH
  rect 4.064x1.524 smd: GND@1(2.032,-2.54) GND@2(2.032,2.54)
  rect 4.064x1.524 smd far side: GND@3(2.032,2.54) GND@4(2.032,-2.54)
  rect 4.064x0.6 smd: P(2.032,0)
SOIC127P600X170-9N
  rect 1.525x0.65 smd: 1(-2.712,1.905) 2(-2.712,0.635) 3(-2.712,-0.635) 4(-2.712,-1.905) 5(2.712,-1.905) 6(2.712,-0.635) 7(2.712,0.635) 8(2.712,1.905)
  rect 2.6x3.1 smd: 9(0,0)
SOIC127P600X175-8N
  rect 1.5x0.7 smd: 1(-2.7,1.905) 2(-2.7,0.635) 3(-2.7,-0.635) 4(-2.7,-1.905) 5(2.7,-1.905) 6(2.7,-0.635) 7(2.7,0.635) 8(2.7,1.905)
SON50P200X200X80-9N
  rect 0.7x0.3 smd: 1(-1.05,0.75) 2(-1.05,0.25) 3(-1.05,-0.25) 4(-1.05,-0.75) 5(1.05,-0.75) 6(1.05,-0.25) 7(1.05,0.25) 8(1.05,0.75)
  rect 1x1.7 smd: 9(0,0)
SOP50P490X110-10N
  rect 1.4x0.3 smd: 1(-2.2,1) 2(-2.2,0.5) 3(-2.2,0) 4(-2.2,-0.5) 5(-2.2,-1) 6(2.2,-1) 7(2.2,-0.5) 8(2.2,0) 9(2.2,0.5) 10(2.2,1)
SOP65P490X110-8N
  rect 1.4x0.45 smd: 1(-2.2,0.975) 2(-2.2,0.325) 3(-2.2,-0.325) 4(-2.2,-0.975) 5(2.2,-0.975) 6(2.2,-0.325) 7(2.2,0.325) 8(2.2,0.975)
SOP65P640X120-8N
  rect 1.475x0.45 smd: 1(-2.938,0.975) 2(-2.938,0.325) 3(-2.938,-0.325) 4(-2.938,-0.975) 5(2.938,-0.975) 6(2.938,-0.325) 7(2.938,0.325) 8(2.938,0.975)
SOP65P640X120-16N
  rect 1.475x0.45 smd: 1(-2.938,2.275) 2(-2.938,1.625) 3(-2.938,0.975) 4(-2.938,0.325) 5(-2.938,-0.325) 6(-2.938,-0.975) 7(-2.938,-1.625) 8(-2.938,-2.275) 9(2.938,-2.275) 10(2.938,-1.625) 11(2.938,-0.975) 12(2.938,-0.325) 13(2.938,0.325) 14(2.938,0.975) 15(2.938,1.625) 16(2.938,2.275)
SOT23-6
  rect 0.6x0.9 smd: 1(-0.95,-1.15) 2(0,-1.15) 3(0.95,-1.15) 4(0.95,1.15) 5(0,1.15) 6(-0.95,1.15)
SOT95P280X145-5N
  rect 1.2x0.6 smd: 1(-1.25,0.95) 2(-1.25,0) 3(-1.25,-0.95) 4(1.25,-0.95) 5(1.25,0.95)
SOT-23_477
  rect 1.016x1.143 smd: 1(-0.889,-1.016) 2(0.889,-1.016) 3(0,1.016)
SW4-SMD-5.2X5.2X1.5MM_476
  rect 1x0.7 smd: 1(-3,1.85) 2(3,1.85) 3(-3,-1.85) 4(3,-1.85)
TLP3475TPF
  rect 0.55x1 smd: 1(-0.4,-0.875) 2(0.4,-0.875) 3(0.4,0.875) 4(-0.4,0.875)
unnamed
  round 1.6 hole 1.6 unplated: (0,0)
USB-2.0-A-THT-RA-TE_AMP-292303-1
  round 1.656 hole 0.92: P$1(-3.5,2.71) P$2(-1,2.71) P$3(1,2.71) P$4(3.5,2.71)
  round 4.14 hole 2.3: S$1(-6.57,0) S$2(6.57,0)
USB_C_CUSB31-CFM2AX-01-X
  round 0.65 hole 0.65 unplated: (-3.23,2.31) (3.22,2.32)
  rect 0.575x1.15 smd: A1B12(-3.2,3.545) A4B9(-2.4,3.545) B1A12(3.2,3.545) B4A9(2.4,3.545)
  rect 0.275x1.15 smd: A5(-1.25,3.545) A6(-0.25,3.545) A7(0.25,3.545) A8(1.25,3.545) B5(1.75,3.545) B6(0.75,3.545) B7(-0.75,3.545) B8(-1.75,3.545)
  oval 1x2 hole 0.6: M1(-4.32,2.97) M2(4.32,2.97) M3(-4.32,-2.988) M4(4.32,-2.988)

## Nets
1V2: C52.1 C53.1 IC7.1 IC7.15 IC7.16 J3.2 R88.P$1 R89.P$1 R161.P$1
1V5: C266.1 C310.1 C311.1 C312.1 C313.1 IC24.13 IC24.14 J40.1 L9.2 R223.P$2
1V5D: C54.1 C278.1 C298.1 C299.1 C300.1 C301.1 IC7.12 IC7.13 IC7.14 J43.1 L12.2 R229.P$2
1V25OUT-1: IC18.7 R145.P$2 R147.P$2
1V25OUT-2: IC33.7 R199.P$2 R201.P$2
2V2: C270.1 C306.1 C307.1 C308.1 C309.1 IC23.12 IC23.13 IC23.14 IC27.12 IC27.13 IC27.14 J41.1 L10.2 R225.P$2
2V5+: C55.P$1 C75.P$1 C84.P$1 C86.P$1 C88.P$1 C90.P$1 C92.P$1 C94.P$1 C96.P$1 C107.P$1 C109.P$1 C111.P$1 C113.P$1 C130.P$1 C132.P$1 C134.P$1 C253.1 C254.1 FL1.7 FL1.8 FL2.7 FL2.8 FL3.7 FL3.8 FL4.7 FL4.8 IC13.1 IC13.10 IC14.8 IC14.13 IC15.15 IC18.8 IC21.1 IC21.10 IC26.1 IC26.15 IC26.16 IC29.8 IC29.13 IC30.15 IC33.8 J35.2 R216.P$1
2V5-1: C78.P$1 C85.P$1 C87.P$1 C89.P$1 C91.P$1 C95.P$1 C97.P$1 C251.1 FL1.5 FL1.9 FL3.5 FL3.9 IC13.3 IC13.8 IC14.5 IC14.16 IC18.4 IC25.5 J34.1
2V5-2: C56.P$1 C76.1 C108.P$1 C110.P$1 C112.P$1 C129.P$1 C133.P$1 C135.P$1 FL2.5 FL2.9 FL4.5 FL4.9 IC10.5 IC21.3 IC21.8 IC29.5 IC29.16 IC33.4 J4.1
2V5D: C257.1 C258.1 IC28.1 IC28.15 IC28.16 J37.2 R87.P$1 R90.P$1 R220.P$1
2V5DACOUT: IC17.10 R172.P$2 R181.P$2
2V8D: C274.1 C302.1 C303.1 C304.1 C305.1 IC28.12 IC28.13 IC28.14 J42.1 L11.2 R227.P$2
3V0-: C77.1 C252.1 C279.2 C281.2 C282.2 C288.2 C294.2 C295.2 C296.2 C297.2 D10.A IC10.2 IC25.2 J44.2 PS13.1 PS13.9 R209.P$1 R232.P$1
3V3: C44.1 C50.1 C58.2 C59.2 C73.1 C93.P$1 C98.P$1 C131.P$1 C142.P$2 C143.P$1 C147.P$2 C148.P$2 C149.P$1 C244.1 C245.1 IC3.2 IC4.8 IC6.3 IC6.7 IC6.8 IC8.32 IC15.1 IC15.2 IC15.7 IC15.16 IC17.5 IC17.9 IC22.1 IC22.15 IC22.16 IC26.12 IC26.13 IC26.14 IC30.1 IC30.2 IC30.7 IC30.16 J31.2 JTAG0.4 LED1.A R15.P$1 R18.P$1 R78.P$2 R79.P$2 R80.P$2 R82.P$2 R84.P$2 R91.P$2 R92.P$2 R121.P$2 R123.P$2 R127.1 R130.1 R155.P$1 R175.P$2 R213.P$1 U2.6 U2.10 U2.16 U2.17 U2.26 U2.28 U2.32 Y2.4
3V7: C262.1 C314.1 C315.1 C316.1 C317.1 IC22.12 IC22.13 IC22.14 J39.1 L1.2 R221.P$2
5V: C117.2 C259.1 C263.1 C267.1 C271.1 C275.1 C279.1 C286.1 C287.1 C288.1 C289.1 C290.1 C291.1 C292.1 C293.1 IC8.40 J2.P$1 J15.P$1 J45.1 J46.2 JST_FAN0.1 K1.1 K2.1 K3.1 K4.1 K5.1 L14.2 LED3.A PS2.2 PS2.3 PS9.2 PS9.3 PS10.2 PS10.3 PS11.2 PS11.3 PS12.2 PS12.3 PS13.2 PS13.3 Q2.3 R233.P$2 R237.P$2
12V: C242.1 C283.1 C319.1 C320.1 CN2.PWR J30.2 LED2.A PS14.2 PS14.3
12VCONNECTED: CN2.GNDBREAK R237.P$1 R238.P$1 R239.P$1
